# KiCad board insequor58TOPMOUNT.kicad_pcb (continued)
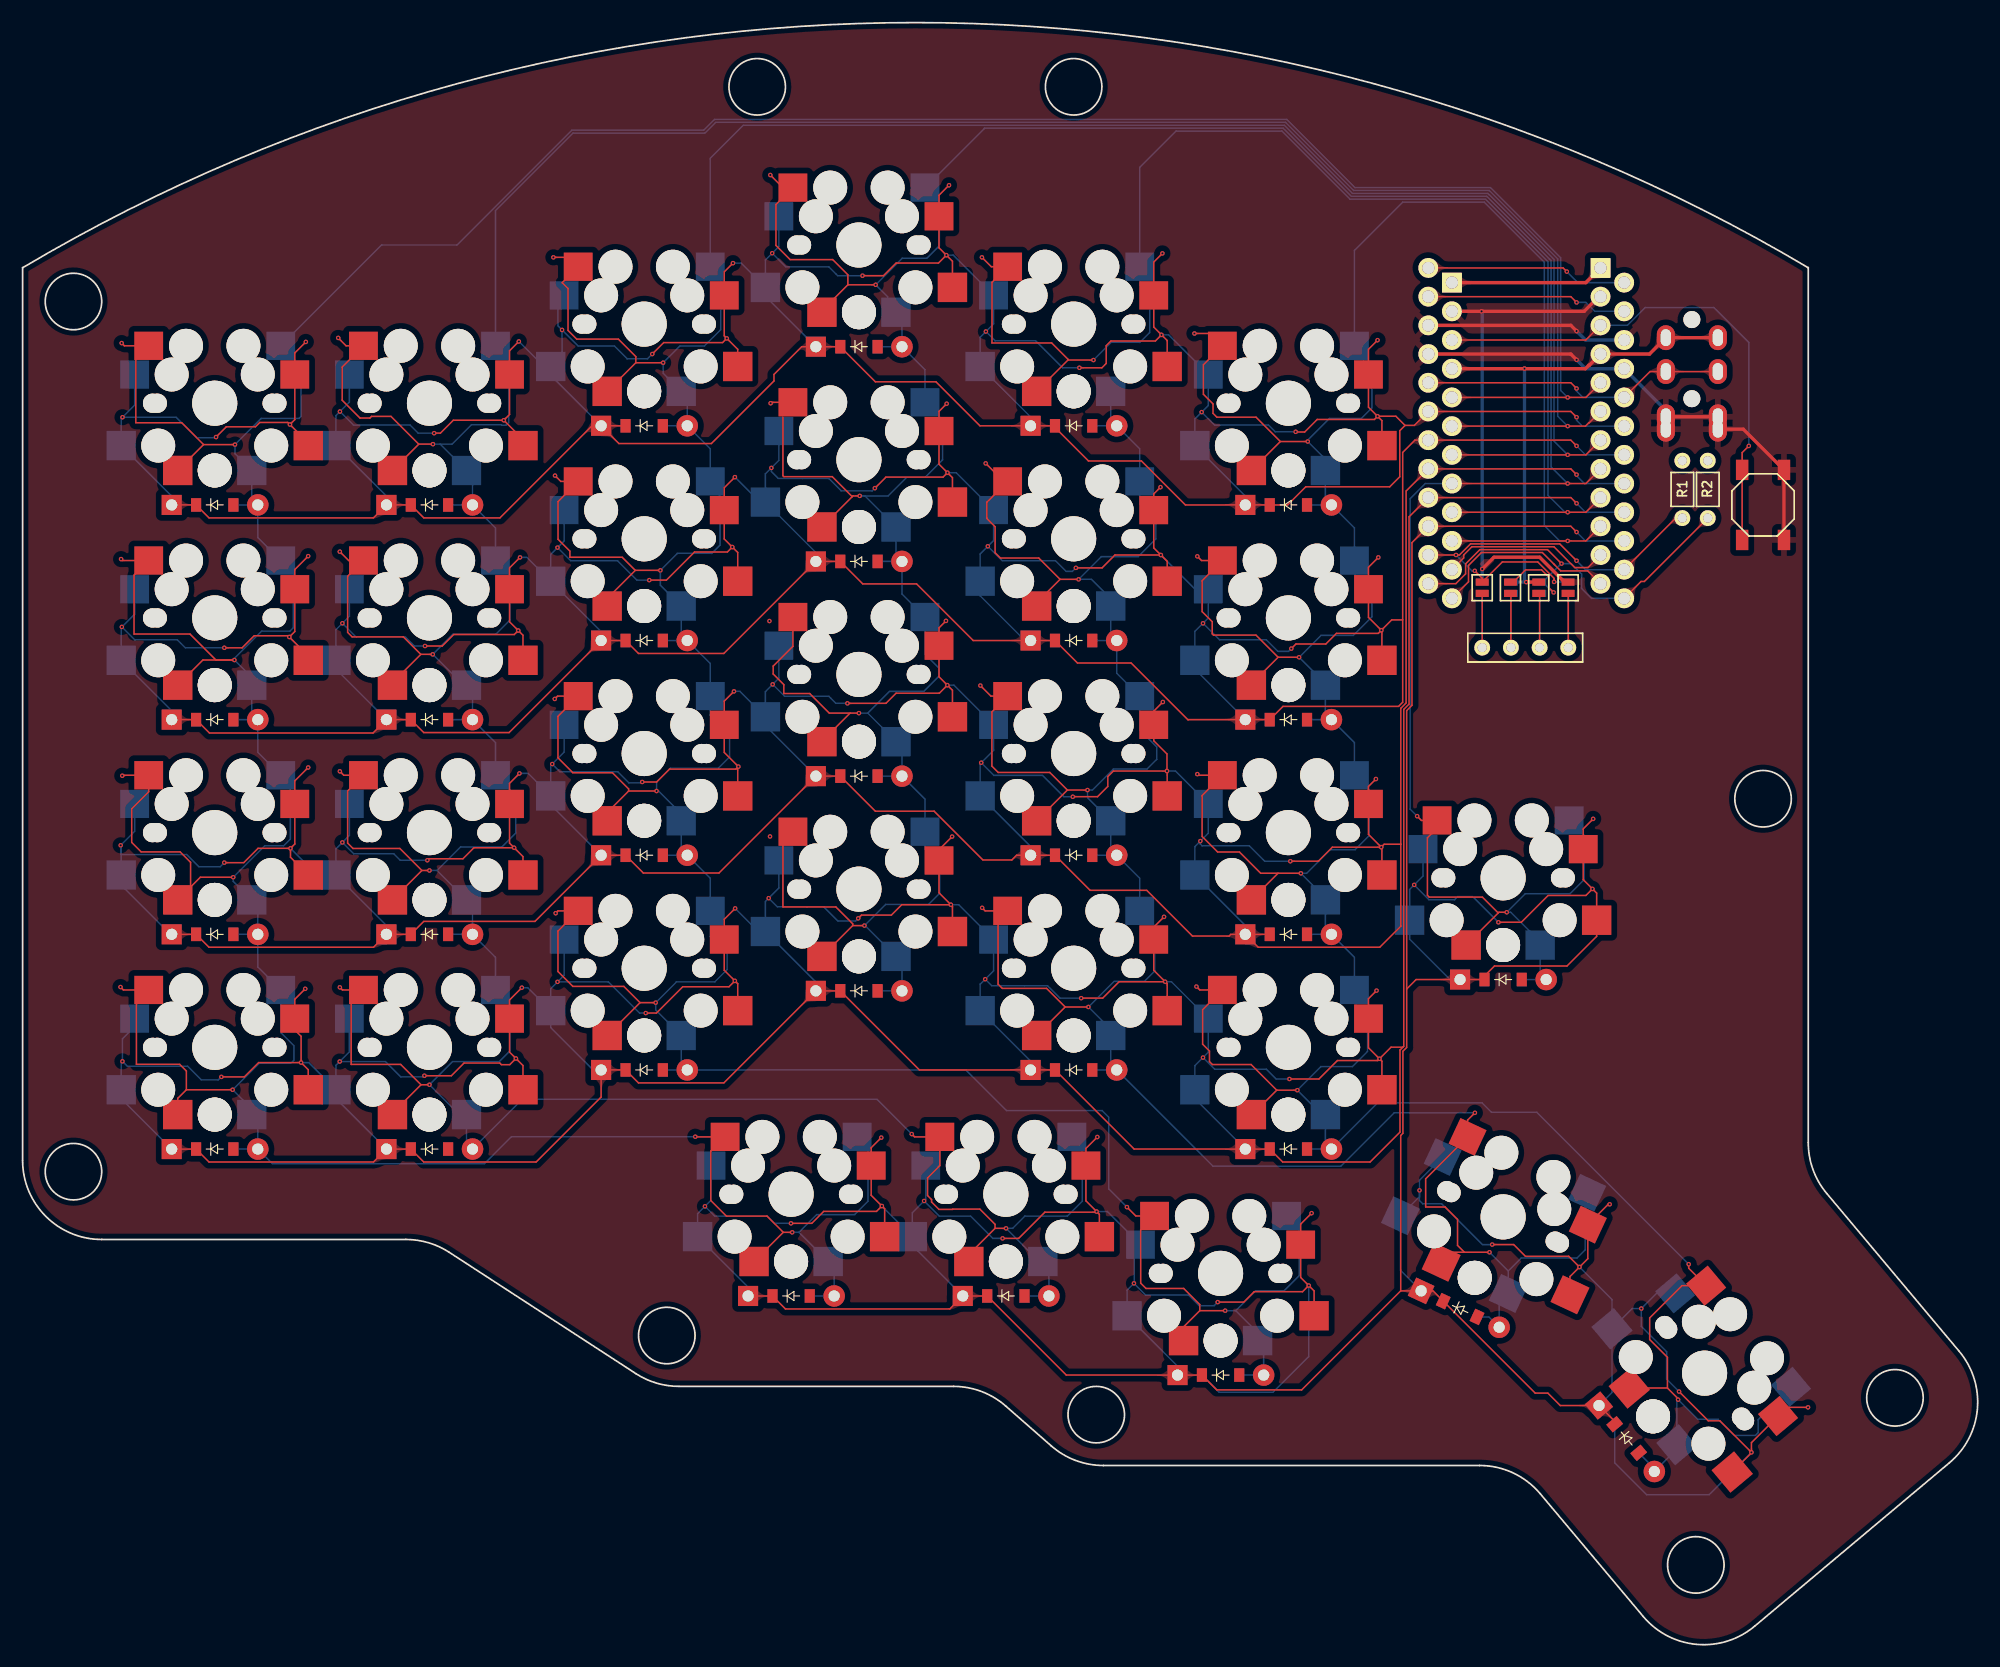
[diagram p0: board, top side]
## Routing (per net, layer and track width the routed paths; a pad name or vN(x,y) marks a point on that pad's centre or on a via; arc(x,y) is an arc through that point) (continued)
P6: length 470.4
  Top w0.13: v1(24.64,51.48) 24.64,53.81 24.08,54.37 24.08,57.09 v1(25.01,58.01) ; v1(24.64,51.48) 25.28,50.85 S1.2 ; v1(24.64,51.48) 20.89,51.48 19.62,50.22 v1(17.58,50.22) ; S9.2 44.28,51.22 v1(43.65,51.85) ; v1(120.06,51.82) 121.08,52.85 122.13,52.85 ; v1(120.06,51.82) 119.9,51.67 116.34,51.67 114.7,50.03 v1(112.09,50.03) ; v1(120.06,51.82) 119.08,52.79 119.08,57.14 v1(119.8,57.85) ; v1(120.06,51.82) 120.28,51.6 S41.2 ; v1(43.65,51.85) 43.1,51.3 42.36,51.3 42.22,51.44 39.05,51.44 37.94,50.32 v1(35.55,50.32) ; v1(43.65,51.85) 43.08,52.41 43.08,57.03 v1(44.17,58.11) ; v1(63.02,58.72) 62.51,58.2 58.42,58.2 56.08,55.87 v1(55.14,55.87) ; v1(63.02,58.72) 63.28,58.46 S17.2 ; v1(63.02,58.72) 62.08,59.65 62.08,64.16 v1(63.05,65.13) ; v1(101.1,58.64) 101.28,58.46 S33.2 ; v1(101.1,58.64) 97.02,58.64 95.57,57.19 v1(93.66,57.19) ; v1(101.1,58.64) 100.08,59.65 100.08,63.47 v1(101,64.38) ; v1(137.5,100.97) 136.99,101.48 MCU1.21 122.68,99.78 122.68,83.2 122.21,82.73 122.21,52.92 122.13,52.85 ; 122.13,52.85 121.88,52.59 121.88,45.33 119.23,42.69 111.49,42.69 110.35,43.83 108.19,43.83 98.35,43.83 91.35,50.83 89.19,50.83 79.35,50.83 72.35,57.83 70.19,57.83 62.05,49.69 54.49,49.69 53.35,50.83 51.19,50.83 51.19,48.44 45.44,42.69 35.49,42.69 34.35,43.83 32.19,43.83 31.05,42.69 16.49,42.69 15.35,43.83 13.19,43.83 ; S25.2 82.28,65.32 v1(82.14,65.45) ; v1(82.14,65.45) 77.79,65.45 76.87,64.53 74.22,64.53 v1(73.94,64.25) ; v1(82.14,65.45) 81.08,66.51 81.08,70.32 v1(82.25,71.48)
  Bottom w0.13: v1(66.02,66.03) 66.78,65.27 70.88,65.27 72.14,64.01 73.7,64.01 v1(73.94,64.25) ; v1(66.02,66.03) 65.73,65.74 S25.2 ; v1(66.02,66.03) 66.92,66.93 S26.1 ; 70.19,57.83 70.19,58.62 S25.2 ; v1(104.45,51.93) 105.48,50.9 110.05,50.9 110.92,50.03 v1(112.09,50.03) ; v1(104.45,51.93) 103.73,51.21 S41.2 103.73,48.3 108.19,43.83 ; v1(104.45,51.93) 104.92,52.4 S42.1 101.65,58.64 v1(101.1,58.64) ; v1(93.66,57.19) 91.78,57.19 90.69,58.28 85.75,58.28 v1(85.17,58.86) ; S9.2 25.32,51.48 v1(24.64,51.48) ; S9.2 27.73,48.3 32.19,43.83 ; S9.2 27.73,51.24 v1(28.06,51.58) ; S17.2 46.73,54.59 50.48,50.83 51.19,50.83 ; S17.2 44.69,58.11 v1(44.17,58.11) ; S17.2 46.73,58.02 v1(47.33,58.63) ; v1(8.83,51.59) 8.83,53.59 9.92,54.67 S2.1 ; v1(8.83,51.59) 9.27,51.16 14.61,51.16 15.81,49.96 17.32,49.96 v1(17.58,50.22) ; v1(8.83,51.59) 8.73,51.49 S1.2 8.73,48.3 13.19,43.83 ; v1(28.06,51.58) 28.92,52.43 S10.1 ; v1(28.06,51.58) 32.1,51.58 33.46,50.22 35.45,50.22 v1(35.55,50.32) ; S25.2 65.09,63.08 v1(63.05,65.13) ; v1(47.33,58.63) 47.92,59.21 S18.1 ; v1(47.33,58.63) 51.82,58.63 54.59,55.87 v1(55.14,55.87) ; v1(82.14,65.45) 82.83,65.45 S34.1 85.92,59.61 v1(85.17,58.86) ; v1(85.17,58.86) 84.73,58.42 S33.2 89.19,51.62 89.19,50.83 ; MCU2.21 138.59,100.18 138.58,100.17 138.3,100.17 v1(137.5,100.97)
P7: length 496
  Top w0.13: v1(140.43,38.94) 140.3,38.94 S58.1 138.49,34.13 v1(137.76,33.39) ; v1(76.03,38.79) 75.55,38.31 70.88,38.31 69.83,37.26 v1(67.98,37.26) ; v1(76.03,38.79) 76.28,38.55 S49.2 ; v1(76.03,38.79) 75.08,39.74 75.08,43.95 v1(75.98,44.85) ; v1(157.98,20.98) 156.1,20.98 S60.1 152.97,17.85 v1(152.97,16.99) ; v1(113.8,31.76) 113.25,31.21 108.97,31.21 108.05,30.29 v1(105.75,30.29) ; v1(113.8,31.76) 114.28,31.28 S53.2 ; v1(113.8,31.76) 113.08,32.47 113.08,37.19 v1(114.05,38.16) ; v1(152.97,16.99) 152.97,16.95 S59.2 ; v1(152.97,16.99) 150.18,19.79 149.15,19.79 v1(146.56,22.38) ; v1(95.03,38.3) 95.28,38.06 S51.2 ; v1(95.03,38.3) 94.08,39.25 94.08,43.89 v1(95.1,44.9) ; v1(95.03,38.3) 94.97,38.24 90.45,38.24 88.13,35.93 v1(86.71,35.93) ; S57.2 136.91,32.55 v1(137.76,33.39) ; v1(137.76,33.39) 136.81,34.34 132.98,34.34 131.94,35.38 v1(130.03,35.38) ; v1(130.58,63.9) 132.61,63.9 134.98,66.27 138.33,66.27 v1(138.9,66.85) ; 121.94,31.29 113.17,22.52 105.66,22.52 104.35,23.83 102.19,23.83 92.35,23.83 85.35,30.83 83.19,30.83 82.05,29.69 67.49,29.69 66.35,30.83 64.19,30.83 ; 121.94,31.29 123.74,31.29 124.79,31.29 125.7,30.37 133.84,22.23 134.96,22.23 136.06,21.14 139.48,21.14 140.87,19.75 140.87,19.48 ; 121.94,31.29 121.94,45.03 122.13,45.23 122.13,52.49 122.46,52.82 122.46,57.99 ; v1(138.9,66.85) 139.28,66.48 S55.2 139.28,62.65 136.66,60.03 130.24,60.03 129.35,59.15 129.35,58.83 127.19,58.83 123.3,58.83 122.46,57.99 ; v1(138.9,66.85) 138.08,67.67 138.08,72.17 v1(138.97,73.05) ; 122.46,57.99 122.46,82.63 122.93,83.1 122.93,97.49 MCU1.22 136.99,98.94 v1(137.5,98.43)
  Bottom w0.13: v1(98.33,31.95) 97.73,31.34 S53.2 102.19,24.62 102.19,23.83 ; v1(98.33,31.95) 99.37,30.91 103.16,30.91 104.1,29.97 105.43,29.97 v1(105.75,30.29) ; v1(98.33,31.95) 98.37,31.99 98.37,34.82 S54.1 95.98,38.3 v1(95.03,38.3) ; 146.64,22.38 v1(146.56,22.38) 145.47,23.47 145.47,25.9 143.23,28.14 v1(143.23,29.72) ; 127.19,58.83 126.3,58.83 122.73,62.41 S55.2 122.73,66.8 v1(123.13,67.21) ; 64.19,30.83 64.19,31.62 S49.2 59.73,38.12 v1(60.38,38.77) ; 139.48,21.14 140.63,22.29 S59.2 ; 123.74,31.29 121.92,33.11 S57.2 123.6,39.62 v1(123.6,40.18) ; S50.1 60.92,39.31 v1(60.38,38.77) ; S59.2 140.63,30.51 v1(137.76,33.39) ; S59.2 142.42,29.72 v1(143.23,29.72) ; v1(123.6,40.18) 123.6,41.08 S58.1 ; v1(123.6,40.18) 123.6,39.27 123.88,38.99 125.56,38.99 129.17,35.38 v1(130.03,35.38) ; v1(130.58,63.9) 128.31,66.17 126.98,66.17 126.7,65.9 124.44,65.9 v1(123.13,67.21) ; v1(86.71,35.93) 85.85,35.93 83.88,37.9 81.11,37.9 v1(79.77,39.24) ; v1(113.8,31.76) 113.8,25.47 110.64,22.31 105.87,22.31 104.35,23.83 ; S51.2 76.03,38.78 v1(76.03,38.79) ; S51.2 78.73,38.2 v1(79.77,39.24) ; S51.2 78.73,35.3 83.19,30.83 ; MCU2.22 138.45,97.64 138.44,97.63 138.3,97.63 v1(137.5,98.43) ; 68.06,37.34 v1(67.98,37.26) 66.49,37.26 65.86,37.9 61.25,37.9 v1(60.38,38.77) ; v1(123.13,67.21) 123.92,67.99 S56.1 ; v1(143.23,29.72) 144.57,31.06 S60.1 ; 140.87,19.48 140.87,16.07 143.69,13.25 149.23,13.25 v1(152.97,16.99) ; v1(79.77,39.24) 79.92,39.39 S52.1
P8: length 38.7
  Top w0.13: v1(135.51,94.02) 135.51,94.25 135.53,94.27 135.53,94.32 134.06,95.79 130.93,95.79 JP8.2 129.15,94.34 v1(128.49,95) ; MCU1.23 v1(126.83,96.4) 127.13,96.4 128.12,97.39 136.01,97.39 v1(137.5,95.89) ; 141.71,95.24 MCU2.23 146.27,99.67 R1.2
  Bottom w0.13: JP4.2 135.53,94 v1(135.51,94.02) ; v1(137.5,95.89) 138.29,95.1 MCU2.23 ; v1(126.83,96.4) 128.25,94.99 128.47,94.99 v1(128.49,95)
P9: length 41.5
  Top w0.13: MCU2.24 143.2,94.06 143.5,94.06 R2.2 ; MCU1.24 126.81,93.86 127.68,94.73 127.68,95.61 128.94,96.87 134.93,96.87 v1(136.17,95.64) ; v1(135.47,93.09) 135.08,93.48 135.08,94.41 134.4,95.09 132.98,95.09 131.9,94 JP7.2
  Bottom w0.13: 134.5,94 136.14,95.64 v1(136.17,95.64) 137.03,95.64 137.95,94.72 137.95,93.44 138.82,92.56 MCU2.24 ; 134.5,94 JP3.2 ; 134.5,94 135.42,93.09 v1(135.47,93.09)
P10: length 16.9
  Top w0.13: 135.55,95.54 136.09,95 138.48,95 MCU1.12 ; 135.55,95.54 135.46,95.63 ; 135.55,95.54 134.47,96.62 129.08,96.62 127.94,95.48 127.94,94.03 MCU2.12
P14: length 345.9
  Top w0.13: 145.54,22.69 146.48,21.74 ; 145.54,22.69 S59.1 ; 145.54,22.69 145.54,25.41 143.97,26.98 143.97,28.89 146.82,31.74 S60.2 147.42,33.28 v1(147.42,33.64) ; MCU2.10 v1(136.71,97.64) 138.32,97.64 MCU1.10 ; 111.08,68.24 v1(113.11,68.24) ; 111.08,68.24 109.55,68.24 107.67,70.12 105.74,70.12 104.37,71.49 104.37,75.12 S44.2 104.04,76.91 v1(103.94,77.01) ; 111.08,68.24 S43.1 ; v1(103.86,58.21) 104.16,57.91 S42.2 104.41,56.16 104.41,53.11 105.02,52.51 105.02,51.57 105.27,51.31 108.7,51.31 110.97,49.04 ; S41.1 108.81,46.88 110.97,49.04 ; v1(103.69,116) 105.07,116 S48.2 104.48,113.23 104.48,110.62 105.33,109.77 105.33,108.93 105.67,108.59 109.14,108.59 111.29,106.44 ; S47.1 111.29,106.44 ; 111.29,106.44 v1(113.71,106.44) ; 110.97,49.04 v1(112.79,49.04) ; v1(112.95,87.35) 111.09,87.35 ; 111.09,87.35 109.13,89.31 105.37,89.31 105.26,89.42 105.26,90.49 104.37,91.39 104.37,94.12 S46.2 104.31,95.91 v1(103.94,96.28) ; 111.09,87.35 108.73,84.99 S45.1
  Bottom w0.13: 115.81,81.83 115.28,82.37 S45.1 115.28,85.03 v1(112.95,87.35) 114.88,89.29 117.75,89.29 119.39,90.93 119.39,93.2 117.84,94.75 S46.2 117.84,98.8 115.81,100.83 ; 115.81,81.83 113.65,81.83 ; 115.81,81.83 117.84,79.8 S44.2 119.16,75.6 119.16,71.58 117.9,70.33 115.71,70.33 113.62,68.24 v1(113.11,68.24) 115.28,66.07 S43.1 115.28,63.37 115.81,62.83 ; 113.65,43.83 115.81,43.83 ; 115.81,43.83 119.9,47.92 129.14,47.92 129.97,47.08 133.98,47.08 v1(147.42,33.64) ; 115.81,43.83 115.28,44.37 S41.1 114.95,46.88 v1(112.79,49.04) 114.88,51.13 117.67,51.13 119,52.46 119,55.6 117.84,56.75 S42.2 117.84,60.8 115.81,62.83 ; v1(136.71,97.64) 136,97.64 134.65,99 134.65,122.31 129.33,127.63 122.12,127.63 117.84,123.35 S48.2 117.84,114.42 119.39,112.87 119.39,109.42 118.45,108.48 115.63,108.48 113.71,106.57 v1(113.71,106.44) 115.28,104.88 S47.1 115.28,101.37 115.81,100.83 ; 115.81,62.83 113.65,62.83 ; 115.81,100.83 113.65,100.83 ; 142.99,16.95 144.38,15.57 144.38,15.3 146.37,17.29 S59.1 146.37,21.55 v1(146.48,21.66) 148.22,19.92 150.01,19.92 151.44,18.49 153.32,18.49 153.56,18.73 153.56,19.88 S60.2
P15: length 361.3
  Top w0.13: 127.57,34.7 v1(129.79,34.7) ; 127.57,34.7 126,34.7 125.52,34.21 S57.1 ; 127.57,34.7 126.97,35.31 126.97,37.61 125.87,38.71 124.14,38.71 124.14,41.2 S58.2 127.85,46.39 v1(128.5,47.04) ; 92.44,75.6 90.89,77.16 86.32,77.16 85.76,77.72 85.76,82.52 S36.2 85.68,83.91 v1(84.75,84.85) ; 92.44,75.6 S35.1 ; 92.44,75.6 v1(94.23,75.6) ; 92.25,56.41 v1(94.3,56.41) ; 92.25,56.41 S33.1 ; 92.25,56.41 90.6,58.05 86.69,58.05 86.31,58.42 86.31,64.07 S34.2 85.17,64.91 v1(84.9,65.18) ; v1(84.88,122.74) 85.71,121.91 S40.2 85.77,120.53 85.77,115.16 91.05,115.16 92.49,113.72 92.49,113.65 ; 92.49,113.65 S39.1 ; 92.49,113.65 v1(94.75,113.65) ; S37.1 89.73,92.17 91.8,94.25 ; 91.8,94.25 89.92,96.13 86.53,96.13 86.05,96.6 86.05,98.9 85.32,99.64 85.32,101.07 S38.2 86.81,102.91 v1(85.22,104.51) ; 91.8,94.25 v1(93.44,94.25) ; MCU1.9 138.32,100.18 v1(136.71,100.18) MCU2.9
  Bottom w0.13: 96.81,107.83 98.84,105.8 S38.2 98.84,100.9 100.27,99.47 100.27,97.83 98.71,96.26 95.45,96.26 v1(93.44,94.25) 94.58,94.25 96.28,92.55 S37.1 96.28,89.37 96.81,88.83 ; 96.81,107.83 94.65,107.83 ; 96.81,107.83 96.28,108.37 S39.1 ; 96.81,88.83 94.65,88.83 ; 96.81,88.83 96.81,85.94 S36.2 98.84,80.93 100.35,79.42 100.35,78.32 99.49,77.46 96.51,77.46 94.66,75.6 v1(94.23,75.6) 94.23,74.93 S35.1 96.28,70.37 96.81,69.83 ; v1(128.5,47.04) 121.37,47.04 116.64,42.31 105.33,42.31 96.81,50.83 ; 128.69,28.98 129.74,28.98 130.65,28.06 130.65,30.25 S57.1 131.45,33.04 ; 131.45,33.04 132.6,34.19 137.55,34.19 138.26,34.91 138.26,39.78 S58.2 ; 131.45,33.04 v1(129.79,34.7) ; v1(94.75,113.65) 96.32,115.22 98.86,115.22 99.73,116.08 99.73,119.37 98.84,120.26 S40.2 98.84,130.7 102.06,133.91 111.43,133.91 117.46,127.88 129.44,127.88 134.97,122.35 134.97,101.68 136.47,100.18 v1(136.71,100.18) ; 96.81,69.83 94.65,69.83 ; 96.81,69.83 98.84,67.8 S34.2 100.17,63.58 100.17,59.59 99.25,58.67 96.56,58.67 v1(94.3,56.41) 96.28,54.43 S33.1 96.28,51.37 96.81,50.83 ; 96.81,50.83 94.65,50.83
P16: length 15.4
  Top w0.13: MCU1.11 138.51,95.29 137.34,95.29 135.5,97.13 128.24,97.13 127.51,96.4 127.51,96.14 MCU2.11
P18: length 361
  Top w0.13: v1(74.49,63.61) 73.45,63.61 ; 73.45,63.61 S25.1 ; 73.45,63.61 73.45,63.77 71.96,65.26 67.27,65.26 67.27,71.03 S26.2 ; S31.1 70.73,118.02 73.02,120.31 ; S30.2 66.27,109.91 v1(66.19,109.83) ; 73.02,120.31 73.02,121.2 71.67,122.54 67.91,122.54 66.66,123.79 66.66,127.41 S32.2 67.27,128.91 v1(66.16,130.03) ; 73.02,120.31 v1(75.48,120.31) ; MCU1.8 138.32,102.72 v1(136.71,102.72) MCU2.8 ; S29.1 73.41,101.56 ; 73.41,101.56 73.47,101.63 v1(74.07,101.63) ; 73.41,101.56 71.64,103.33 67.35,103.33 67.27,103.41 67.27,108.58 ; 73.22,82.41 v1(74,82.41) ; 73.22,82.41 71.38,82.41 69.65,84.14 67.35,84.14 67.35,84.93 66.41,85.87 66.41,86.57 68.16,88.31 S28.2 ; 73.22,82.41 70.73,79.92 S27.1 ; S55.1 130.57,64.72 ; 130.57,64.72 130.63,64.79 v1(131.32,64.79) ; 130.57,64.72 129.16,66.13 124.46,66.13 124.3,66.28 124.3,71.38 125.16,72.23 S56.2 123.77,72.91 v1(123.39,73.29)
  Bottom w0.13: MCU2.8 124.11,102.72 122.77,101.38 122.77,73.91 v1(123.39,73.29) ; 77.81,114.83 79.84,112.8 S30.2 81.4,108.35 81.4,104.82 79.9,103.32 78.27,103.32 76.58,101.63 v1(74.07,101.63) 74.53,101.63 S29.1 77.28,96.37 77.81,95.83 ; 77.81,114.83 77.81,117.35 S31.1 76.54,118.62 76.54,119.25 v1(75.48,120.31) 77.84,122.67 80.02,122.67 81.12,123.77 81.12,127.63 S32.2 79.87,128.91 85.08,134.13 85.08,134.14 85.11,134.17 111.53,134.17 117.56,128.14 129.54,128.14 135.09,122.6 135.1,122.6 135.24,122.46 135.24,104.19 v1(136.71,102.72) ; 77.81,114.83 75.65,114.83 ; 77.81,76.83 77.81,79.35 S27.1 77.28,79.92 74.78,82.41 ; 77.81,76.83 75.65,76.83 ; 77.81,76.83 79.84,74.8 S26.2 79.84,70.39 81.15,69.08 81.15,66.47 80.16,65.48 76.36,65.48 v1(74.49,63.61) 74.55,63.61 S25.1 77.81,60.35 77.81,57.83 75.65,57.83 ; 77.81,95.83 75.65,95.83 ; 77.81,95.83 77.81,92.94 S28.2 79.84,87.63 81.1,86.37 81.1,85.69 79.74,84.33 76.71,84.33 74.78,82.41 ; S56.2 138.17,71.59 138.17,67.68 136.92,66.43 132.97,66.43 v1(131.32,64.79) 131.68,64.79 134.28,62.19 S55.1 134.28,59.37 134.81,58.83 132.65,58.83 ; 74.78,82.41 v1(74,82.41)
  vias: v1(66.08,90.56) v1(66.13,71.49)
P19: length 408.2
  Top w0.13: v1(47.09,83.66) 47.34,83.91 S20.2 47.37,82.12 47.37,78.45 48.69,77.13 52.19,77.13 53.62,75.7 53.62,75.51 ; 104.16,29.53 104.16,30.07 102.74,31.5 99.4,31.5 98.93,31.97 98.93,36.68 S54.2 98.5,37.91 v1(97.71,38.7) ; 104.16,29.53 102.73,28.1 S53.1 ; 104.16,29.53 v1(106.41,29.53) ; 54.63,56.79 53.2,58.23 48.69,58.23 47.37,59.55 47.37,63.12 S18.2 47.37,64.91 v1(47.16,64.7) ; 54.63,56.79 S17.1 ; 54.63,56.79 v1(56.02,56.79) ; 53.62,75.51 51.73,73.62 S19.1 ; 53.62,75.51 v1(56.1,75.51) ; v1(46.96,122.74) 48.33,122.74 S24.2 47.74,120.5 48.26,119.98 48.26,116.27 49.03,115.5 52.72,115.5 54.26,113.96 54.26,113.42 ; 54.21,95.04 51.73,92.55 S21.1 ; 54.21,95.04 53.06,96.2 48.43,96.2 48.43,96.74 47.38,97.79 47.38,101.13 S22.2 47.62,102.91 v1(47.11,103.43) ; 54.21,95.04 v1(56.43,95.04) ; MCU2.7 v1(136.71,105.26) 138.32,105.26 MCU1.7 ; S23.1 54.26,113.42 ; 54.26,113.42 v1(56.68,113.42)
  Bottom w0.13: 58.81,107.83 58.81,110.35 S23.1 56.68,112.48 v1(56.68,113.42) 58.16,114.9 60.32,114.9 61.77,116.34 61.77,120.99 S24.2 60.84,131.5 63.77,134.43 111.64,134.43 117.67,128.4 129.65,128.4 129.76,128.29 129.78,128.29 135.51,122.56 135.51,106.47 v1(136.71,105.26) ; 58.81,107.83 56.65,107.83 ; 58.81,107.83 60.84,105.8 S22.2 60.84,102.49 61.72,101.61 61.72,97.28 60.98,96.55 57.93,96.55 v1(56.43,95.04) 56.43,93.73 S21.1 58.28,89.37 58.81,88.83 ; 107.34,29.53 109.28,27.6 S53.1 109.81,26.35 109.81,23.83 107.65,23.83 ; 107.34,29.53 109.11,31.29 111.62,31.29 112.95,32.63 112.95,36.8 S54.2 ; 107.34,29.53 v1(106.41,29.53) ; 58.81,88.83 60.84,86.8 S20.2 60.84,82.22 62.55,80.51 62.55,78.53 61.56,77.53 57.32,77.53 56.1,76.31 v1(56.1,75.51) 56.28,75.51 58.28,73.52 S19.1 58.28,70.37 58.81,69.83 ; 58.81,88.83 56.65,88.83 ; 58.81,50.83 58.28,51.37 S17.1 56.02,56.14 v1(56.02,56.79) 57.86,58.63 61.25,58.63 62.34,59.72 62.34,61.13 60.84,62.63 S18.2 60.84,67.8 58.81,69.83 ; 58.81,50.83 83.46,50.83 87.05,47.24 95.51,47.24 96.1,46.65 96.1,40.31 v1(97.71,38.7) ; 58.81,50.83 56.65,50.83 ; 58.81,69.83 56.65,69.83
P20: length 425
  Top w0.13: v1(36,68.48) 35.33,68.48 ; 35.33,68.48 S11.1 ; 35.33,68.48 33.38,70.43 29.24,70.43 28.76,70.91 28.76,75.51 S12.2 28.42,76.91 v1(28.07,77.26) ; 35.05,106.21 32.59,108.67 30.88,108.67 30.73,108.51 29.86,108.51 28.28,110.09 28.28,113.03 S16.2 28.62,114.91 v1(27.93,115.61) ; 35.05,106.21 v1(36.31,106.21) ; 35.05,106.21 S15.1 ; S9.1 32.73,47 35.25,49.52 ; v1(28.07,96.7) 28.85,95.91 S14.2 28.76,94.51 28.76,89.55 29.16,89.16 33.69,89.16 35.24,87.61 ; S51.1 83.73,34.5 86.05,36.82 ; 35.25,49.52 v1(36,49.52) ; 35.25,49.52 33.45,51.32 29.07,51.32 29.07,56.83 S10.2 28.3,57.91 v1(28.07,58.14) ; MCU2.6 v1(136.71,107.8) 138.28,107.8 138.59,108.11 138.62,108.11 MCU1.6 ; S52.2 81.16,42.37 80.07,41.28 80.07,39.72 80.43,39.36 80.43,39.15 81.08,38.5 82.29,38.5 82.31,38.52 84.7,38.52 86.05,37.17 86.05,36.82 ; S52.2 80.08,43.83 ; S52.2 78.92,44.91 v1(78.67,45.16) ; 86.05,36.82 v1(87.02,36.82) ; 35.24,87.61 v1(36.29,87.61) ; 35.24,87.61 32.73,85.1 S13.1
  Bottom w0.13: 36.95,106.21 S15.1 39.81,103.35 39.81,100.83 ; 36.95,106.21 v1(36.31,106.21) ; 36.95,106.21 38,106.21 39.72,107.93 42.35,107.93 42.4,107.89 42.78,107.89 43.01,108.12 43.01,113.74 S16.2 41.84,126.87 48.71,133.73 60.37,133.73 61.32,134.68 111.75,134.68 117.78,128.65 129.77,128.65 135.83,122.6 135.83,108.68 136.71,107.8 v1(136.71,107.8) ; 39.81,100.83 41.84,98.8 S14.2 43.12,94.63 43.12,90.64 41.87,89.39 38.07,89.39 v1(36.29,87.61) 39.02,84.88 S13.1 39.81,84.35 39.81,81.83 ; 39.81,100.83 37.65,100.83 ; v1(36,68.48) 36.67,68.48 ; 36.67,68.48 S11.1 39.81,65.35 39.81,62.83 ; 36.67,68.48 38.76,70.57 42.41,70.57 43.63,71.79 43.63,75.12 S12.2 41.84,79.8 39.81,81.83 ; 88.65,30.83 90.81,30.83 90.81,33.35 S51.1 89.95,33.88 v1(87.02,36.82) 87.6,36.82 88.68,37.9 92.45,37.9 93.76,39.21 93.76,43.99 S52.2 ; 37.65,81.83 39.81,81.83 ; 39.81,62.83 37.65,62.83 ; 39.81,62.83 41.84,60.8 S10.2 43.12,56.63 43.12,52.52 42.18,51.58 38.05,51.58 v1(36,49.52) 38.64,46.88 S9.1 39.28,44.37 39.81,43.83 44.21,48.23 75.6,48.23 v1(78.67,45.16)
P21: length 434.6
  Top w0.13: v1(8.82,76.87) 8.86,76.91 S4.2 11.16,75.45 9.65,73.94 9.65,70.97 10.49,70.13 13.94,70.13 14.86,69.21 14.86,67.02 S3.1 15.73,67.89 v1(18.64,67.89) ; MCU2.5 v1(136.71,110.34) 138.32,110.34 MCU1.5 ; S7.1 16.01,106.17 ; 16.01,106.17 v1(18.79,106.17) ; 16.01,106.17 14.08,108.1 10.02,108.1 10.02,113.77 S8.2 9.01,114.91 v1(8.77,115.15) ; v1(59.52,44.93) 59.53,44.91 S50.2 60.89,43.64 60.89,39.28 62.28,37.9 65.88,37.9 67.31,36.46 ; 14.49,49.08 v1(18.58,49.08) ; 14.49,49.08 14.49,50.74 13.9,51.33 10.07,51.33 10.07,56.82 S2.2 8.92,57.91 v1(8.66,58.17) ; 14.49,49.08 13.73,48.32 S1.1 ; 67.31,36.46 v1(68.1,36.46) ; 67.31,36.46 S49.1 ; v1(8.71,96.04) 8.84,95.91 S6.2 9.86,94.62 9.86,89.4 14.81,89.4 17.11,87.11 v1(18.74,87.11) 15.95,87.11 S5.1
  Bottom w0.13: 68.69,36.46 70.26,38.03 73.62,38.03 74.8,39.21 74.8,43.95 S50.2 ; 68.69,36.46 S49.1 71.81,33.35 71.81,30.83 69.65,30.83 ; 68.69,36.46 v1(68.1,36.46) ; 20.81,62.83 20.81,65.35 S3.1 18.64,67.52 v1(18.64,67.89) 21.42,70.67 23.09,70.67 23.69,71.27 23.69,76.06 S4.2 20.81,78.94 20.81,81.83 ; 20.81,62.83 20.81,59.94 S2.2 22.84,54.15 24.01,52.99 24.01,51.7 23.72,51.42 20.92,51.42 v1(18.58,49.08) 20.28,47.39 S1.1 20.81,46.35 20.81,43.83 ; 20.81,62.83 18.65,62.83 ; 20.81,100.83 20.81,97.94 S6.2 23.95,94.8 23.95,89.96 23.65,89.67 21.15,89.67 18.74,87.26 v1(18.74,87.11) 20.28,85.57 S5.1 20.28,82.37 20.81,81.83 ; 20.81,100.83 20.28,101.37 S7.1 18.79,105.36 v1(18.79,106.17) 21.11,108.48 24.45,108.48 24.63,108.67 24.63,113.12 S8.2 31.76,123.83 38.44,123.83 48.6,133.99 60.27,133.99 61.22,134.94 111.85,134.94 117.88,128.91 129.88,128.91 136.09,122.7 136.09,110.97 v1(136.71,110.34) ; 20.81,100.83 18.65,100.83 ; v1(59.52,44.93) 43.25,44.93 40.87,42.54 22.1,42.54 20.81,43.83 ; 18.65,81.83 20.81,81.83 ; 20.81,43.83 18.65,43.83
RAW: length 13.7
  Top w0.3: MCU1.1 138.32,120.5 MCU2.1
RST: length 46.5
  Top w0.13: MCU2.3 138.32,115.42 MCU1.3 ; v1(152.74,106.05) 152.15,105.46 B1.2 B1.2
  Bottom w0.13: MCU1.3 141.99,116.72 143.57,118.3 149.65,118.3 152.74,115.2 v1(152.74,106.05)

## Copper pours and planes (outline as drawn; the poured copper is in the pictures)
GND on Top: 109.56,144.15 129.88,139.07 157.82,123.83 157.82,42.55 177.38,19.59 148.69,-4.83 129.88,14.61 91.78,14.61 81.62,22.23 53.68,22.23 33.36,34.93 0.34,34.93 -0.73,123.25 27.21,138.49 71.46,146.69
GND on Bottom: 109.54,144.25 129.86,139.17 157.8,123.93 157.8,42.65 177.36,19.68 148.68,-4.73 129.86,14.71 91.76,14.71 81.6,22.33 53.66,22.33 33.34,35.03 0.32,35.03 -0.75,123.35 27.19,138.59 71.44,146.79
VCC on Top: 146.99,115.78 146.8,115.79 146.65,115.82 146.52,115.86 146.41,115.91 146.32,115.97 146.22,116.04 146.13,116.11 146.02,116.19 145.9,116.27 145.75,116.35 145,115.63 145.75,114.91 145.9,114.99 146.02,115.07 146.13,115.15 146.22,115.23 146.32,115.29 146.41,115.36 146.52,115.41 146.65,115.45 146.8,115.47 146.99,115.48
VCC on Top: 141.37,114.33 141.16,114.34 140.99,114.37 140.85,114.42 140.73,114.47 140.63,114.54 140.52,114.62 140.42,114.71 140.3,114.79 140.16,114.88 140,114.97 139.18,114.18 140,113.39 140.16,113.48 140.3,113.57 140.42,113.66 140.52,113.74 140.63,113.82 140.73,113.89 140.85,113.95 140.99,113.99 141.16,114.02 141.37,114.03
VCC on Top: 128.22,113.03 128.01,113.04 127.84,113.07 127.7,113.12 127.58,113.18 127.47,113.24 127.37,113.32 127.27,113.41 127.15,113.49 127.01,113.58 126.85,113.67 126.03,112.88 126.85,112.09 127.01,112.18 127.15,112.27 127.27,112.36 127.37,112.44 127.47,112.52 127.58,112.59 127.7,112.65 127.84,112.69 128.01,112.72 128.22,112.73
VCC on Top: 138.47,112.86 138.63,113 138.77,113.1 138.9,113.16 139.03,113.2 139.15,113.23 139.28,113.24 139.42,113.25 139.57,113.27 139.73,113.3 139.91,113.35 139.93,114.49 138.79,114.47 138.74,114.29 138.7,114.14 138.68,113.99 138.66,113.86 138.64,113.74 138.61,113.62 138.57,113.49 138.5,113.36 138.4,113.23 138.26,113.08
VCC on Top: 148.41,115.48 148.6,115.47 148.75,115.45 148.88,115.41 148.99,115.36 149.08,115.29 149.18,115.23 149.27,115.15 149.38,115.07 149.5,114.99 149.65,114.91 150.4,115.63 149.65,116.35 149.5,116.27 149.38,116.19 149.27,116.11 149.18,116.04 149.08,115.97 148.99,115.91 148.88,115.86 148.75,115.82 148.6,115.79 148.41,115.78
VCC on Top: 144.38,114.4 144.52,114.53 144.65,114.62 144.76,114.68 144.88,114.72 144.99,114.75 145.11,114.76 145.23,114.78 145.36,114.8 145.5,114.83 145.66,114.88 145.68,115.91 144.64,115.89 144.6,115.73 144.57,115.59 144.55,115.46 144.53,115.34 144.51,115.22 144.49,115.11 144.45,115 144.39,114.88 144.29,114.75 144.17,114.61
(no net) on Top: 131.62,89.59 131.61,89.43 131.59,89.29 131.55,89.18 131.49,89.09 131.43,89 131.36,88.92 131.29,88.84 131.21,88.75 131.13,88.64 131.06,88.51 131.69,87.85 132.32,88.51 132.24,88.64 132.17,88.75 132.09,88.84 132.02,88.92 131.95,89 131.88,89.09 131.83,89.18 131.79,89.29 131.76,89.43 131.75,89.59
(no net) on Top: 134.16,89.59 134.15,89.43 134.13,89.29 134.09,89.18 134.03,89.09 133.97,89 133.9,88.92 133.83,88.84 133.75,88.75 133.67,88.64 133.6,88.51 134.23,87.85 134.86,88.51 134.78,88.64 134.71,88.75 134.63,88.84 134.56,88.92 134.49,89 134.42,89.09 134.37,89.18 134.33,89.29 134.3,89.43 134.29,89.59
(no net) on Top: 129.08,89.59 129.07,89.43 129.05,89.29 129.01,89.18 128.95,89.09 128.89,89 128.82,88.92 128.75,88.84 128.67,88.75 128.59,88.64 128.52,88.51 129.15,87.85 129.78,88.51 129.7,88.64 129.63,88.75 129.55,88.84 129.48,88.92 129.41,89 129.34,89.09 129.29,89.18 129.25,89.29 129.22,89.43 129.21,89.59
(no net) on Top: 136.7,89.59 136.69,89.43 136.67,89.29 136.63,89.18 136.57,89.09 136.51,89 136.44,88.92 136.37,88.84 136.29,88.75 136.21,88.64 136.14,88.51 136.77,87.85 137.4,88.51 137.32,88.64 137.25,88.75 137.17,88.84 137.1,88.92 137.03,89 136.96,89.09 136.91,89.18 136.87,89.29 136.84,89.43 136.83,89.59
(no net) on Bottom: 129.08,89.59 129.07,89.43 129.05,89.29 129.01,89.18 128.95,89.09 128.89,89 128.82,88.92 128.75,88.84 128.67,88.75 128.59,88.64 128.52,88.51 129.15,87.85 129.78,88.51 129.7,88.64 129.63,88.75 129.55,88.84 129.48,88.92 129.41,89 129.34,89.09 129.29,89.18 129.25,89.29 129.22,89.43 129.21,89.59
(no net) on Bottom: 131.62,89.59 131.61,89.43 131.59,89.29 131.55,89.18 131.49,89.09 131.43,89 131.36,88.92 131.29,88.84 131.21,88.75 131.13,88.64 131.06,88.51 131.69,87.85 132.32,88.51 132.24,88.64 132.17,88.75 132.09,88.84 132.02,88.92 131.95,89 131.88,89.09 131.83,89.18 131.79,89.29 131.76,89.43 131.75,89.59
(no net) on Bottom: 134.16,89.59 134.15,89.43 134.13,89.29 134.09,89.18 134.03,89.09 133.97,89 133.9,88.92 133.83,88.84 133.75,88.75 133.67,88.64 133.6,88.51 134.23,87.85 134.86,88.51 134.78,88.64 134.71,88.75 134.63,88.84 134.56,88.92 134.49,89 134.42,89.09 134.37,89.18 134.33,89.29 134.3,89.43 134.29,89.59
(no net) on Bottom: 136.7,89.59 136.69,89.43 136.67,89.29 136.63,89.18 136.57,89.09 136.51,89 136.44,88.92 136.37,88.84 136.29,88.75 136.21,88.64 136.14,88.51 136.77,87.85 137.4,88.51 137.32,88.64 137.25,88.75 137.17,88.84 137.1,88.92 137.03,89 136.96,89.09 136.91,89.18 136.87,89.29 136.84,89.43 136.83,89.59
P0 on Top: 126.13,119.33 125.92,119.34 125.75,119.37 125.61,119.43 125.49,119.5 125.39,119.58 125.29,119.67 125.18,119.76 125.07,119.86 124.93,119.96 124.76,120.05 123.94,119.26 124.76,118.47 124.93,118.57 125.07,118.66 125.18,118.76 125.29,118.86 125.39,118.95 125.49,119.03 125.61,119.1 125.75,119.15 125.92,119.18 126.13,119.2
P0 on Bottom: 139.96,117.9 140.17,117.89 140.34,117.85 140.48,117.8 140.6,117.73 140.7,117.65 140.8,117.56 140.91,117.46 141.02,117.37 141.16,117.27 141.33,117.17 142.15,117.96 141.33,118.75 141.16,118.66 141.02,118.56 140.91,118.46 140.8,118.37 140.7,118.28 140.6,118.2 140.48,118.13 140.34,118.08 140.17,118.04 139.96,118.03
P1 on Top: 126.13,121.87 125.92,121.88 125.75,121.91 125.61,121.97 125.49,122.04 125.39,122.12 125.29,122.21 125.18,122.3 125.07,122.4 124.93,122.5 124.76,122.59 123.94,121.8 124.76,121.01 124.93,121.11 125.07,121.2 125.18,121.3 125.29,121.4 125.39,121.49 125.49,121.57 125.61,121.64 125.75,121.69 125.92,121.72 126.13,121.74
P1 on Bottom: 139.96,120.44 140.17,120.43 140.34,120.39 140.48,120.34 140.6,120.27 140.7,120.19 140.8,120.1 140.91,120 141.02,119.91 141.16,119.81 141.33,119.71 142.15,120.5 141.33,121.29 141.16,121.2 141.02,121.1 140.91,121 140.8,120.91 140.7,120.82 140.6,120.74 140.48,120.67 140.34,120.62 140.17,120.58 139.96,120.57
P2 on Top: 146.99,112.7 146.8,112.71 146.65,112.74 146.52,112.79 146.41,112.85 146.32,112.92 146.23,113 146.13,113.09 146.03,113.18 145.9,113.27 145.75,113.35 145,112.63 145.75,111.91 145.9,112 146.03,112.08 146.13,112.17 146.23,112.26 146.32,112.34 146.41,112.41 146.52,112.48 146.65,112.52 146.8,112.56 146.99,112.57
P2 on Top: 148.41,112.57 148.6,112.56 148.75,112.52 148.88,112.48 148.99,112.41 149.08,112.34 149.17,112.26 149.27,112.17 149.37,112.08 149.5,112 149.65,111.91 150.4,112.63 149.65,113.35 149.5,113.27 149.37,113.18 149.27,113.09 149.17,113 149.08,112.92 148.99,112.85 148.88,112.79 148.75,112.74 148.6,112.71 148.41,112.7
P2 on Top: 143.9,112.45 144.03,112.55 144.15,112.59 144.25,112.57 144.35,112.52 144.46,112.44 144.56,112.33 144.66,112.22 144.78,112.1 144.91,112 145.05,111.91 145.8,112.63 144.83,113.2 144.72,113.1 144.62,113.02 144.53,112.97 144.43,112.92 144.25,112.85 144.15,112.8 144.05,112.73 143.93,112.65 143.81,112.54
P2 on Top: 126.13,111.71 125.92,111.72 125.75,111.75 125.61,111.81 125.49,111.88 125.39,111.96 125.29,112.05 125.18,112.14 125.07,112.24 124.93,112.34 124.76,112.43 123.94,111.64 124.76,110.85 124.93,110.95 125.07,111.04 125.18,111.14 125.29,111.24 125.39,111.33 125.49,111.41 125.61,111.48 125.75,111.53 125.92,111.56 126.13,111.58
P2 on Top: 142.9,111.62 142.74,111.49 142.6,111.39 142.46,111.33 142.33,111.29 142.2,111.28 142.07,111.27 141.92,111.27 141.77,111.25 141.61,111.22 141.42,111.17 141.4,110.03 142.54,110.06 142.59,110.24 142.62,110.41 142.63,110.56 142.64,110.7 142.64,110.83 142.66,110.96 142.69,111.1 142.76,111.23 142.85,111.38 142.99,111.53
P2 on Bottom: 139.96,110.28 140.17,110.27 140.34,110.23 140.48,110.18 140.6,110.11 140.7,110.03 140.8,109.94 140.91,109.84 141.02,109.75 141.16,109.65 141.33,109.55 142.15,110.34 141.33,111.13 141.16,111.04 141.02,110.94 140.91,110.84 140.8,110.75 140.7,110.66 140.6,110.58 140.48,110.51 140.34,110.46 140.17,110.42 139.96,110.41
P3 on Top: 90.96,107.9 90.75,107.91 90.58,107.94 90.43,108 90.32,108.07 90.21,108.15 90.11,108.24 90.01,108.34 89.89,108.44 89.75,108.54 89.58,108.63 88.75,107.83 89.58,107.03 89.75,107.13 89.89,107.22 90.01,107.32 90.11,107.42 90.21,107.51 90.32,107.6 90.43,107.67 90.58,107.72 90.75,107.75 90.96,107.77
P3 on Top: 49.72,107.08 49.84,107.18 49.95,107.25 50.06,107.28 50.16,107.28 50.27,107.26 50.38,107.23 50.49,107.18 50.61,107.12 50.74,107.06 50.87,107 51.63,107.87 50.56,108.46 50.43,108.32 50.33,108.19 50.24,108.07 50.18,107.95 50.05,107.72 49.98,107.6 49.89,107.47 49.78,107.33 49.63,107.17
P3 on Top: 52.49,106.63 52.35,106.79 52.25,106.93 52.19,107.07 52.15,107.2 52.14,107.34 52.13,107.47 52.12,107.61 52.11,107.77 52.08,107.94 52.03,108.12 50.88,108.15 50.9,106.99 51.09,106.94 51.25,106.91 51.41,106.9 51.55,106.89 51.69,106.89 51.82,106.87 51.95,106.83 52.09,106.77 52.24,106.68 52.39,106.53
P3 on Top: 14.96,100.9 14.75,100.91 14.58,100.94 14.43,101 14.32,101.07 14.21,101.15 14.11,101.24 14.01,101.34 13.89,101.44 13.75,101.54 13.58,101.63 12.75,100.83 13.58,100.03 13.75,100.13 13.89,100.22 14.01,100.32 14.11,100.42 14.21,100.51 14.32,100.6 14.43,100.67 14.58,100.72 14.75,100.75 14.96,100.77
P3 on Top: 30.89,99.62 31.07,99.63 31.22,99.66 31.35,99.69 31.46,99.74 31.56,99.78 31.67,99.83 31.77,99.87 31.89,99.91 32.03,99.93 32.19,99.94 32.5,101.15 31.35,101.12 31.31,100.94 31.29,100.75 31.29,100.56 31.3,100.38 31.31,100.21 31.3,100.06 31.26,99.93 31.19,99.84 31.07,99.77 30.89,99.75
P3 on Top: 68.61,114.41 68.74,114.52 68.86,114.57 68.97,114.57 69.08,114.54 69.18,114.48 69.29,114.4 69.41,114.3 69.53,114.21 69.66,114.11 69.8,114.03 70.63,114.83 69.56,115.46 69.44,115.34 69.33,115.24 69.23,115.15 69.15,115.08 68.97,114.93 68.88,114.85 68.78,114.75 68.66,114.64 68.52,114.5
P3 on Top: 87.42,107.77 87.63,107.75 87.8,107.72 87.95,107.67 88.06,107.6 88.17,107.51 88.27,107.42 88.37,107.32 88.49,107.22 88.63,107.13 88.8,107.03 89.63,107.83 88.8,108.63 88.63,108.54 88.49,108.44 88.37,108.34 88.27,108.24 88.17,108.15 88.06,108.07 87.95,108 87.8,107.94 87.63,107.91 87.42,107.9
P3 on Top: 52.96,107.9 52.75,107.91 52.58,107.94 52.43,108 52.32,108.07 52.21,108.15 52.11,108.24 52.01,108.34 51.89,108.44 51.75,108.54 51.58,108.63 50.75,107.83 51.58,107.03 51.75,107.13 51.89,107.22 52.01,107.32 52.11,107.42 52.21,107.51 52.32,107.6 52.43,107.67 52.58,107.72 52.75,107.75 52.96,107.77
P3 on Top: 71.96,114.9 71.75,114.91 71.58,114.94 71.43,115 71.32,115.07 71.21,115.15 71.11,115.24 71.01,115.34 70.89,115.44 70.75,115.54 70.58,115.63 69.75,114.83 70.58,114.03 70.75,114.13 70.89,114.22 71.01,114.32 71.11,114.42 71.21,114.51 71.32,114.6 71.43,114.67 71.58,114.72 71.75,114.75 71.96,114.77
P3 on Top: 33.96,100.9 33.75,100.91 33.58,100.94 33.43,101 33.32,101.07 33.21,101.15 33.11,101.24 33.01,101.34 32.89,101.44 32.75,101.54 32.58,101.63 31.75,100.83 32.58,100.03 32.75,100.13 32.89,100.22 33.01,100.32 33.11,100.42 33.21,100.51 33.32,100.6 33.43,100.67 33.58,100.72 33.75,100.75 33.96,100.77
